# KiCad board pcb.kicad_pcb (continued)
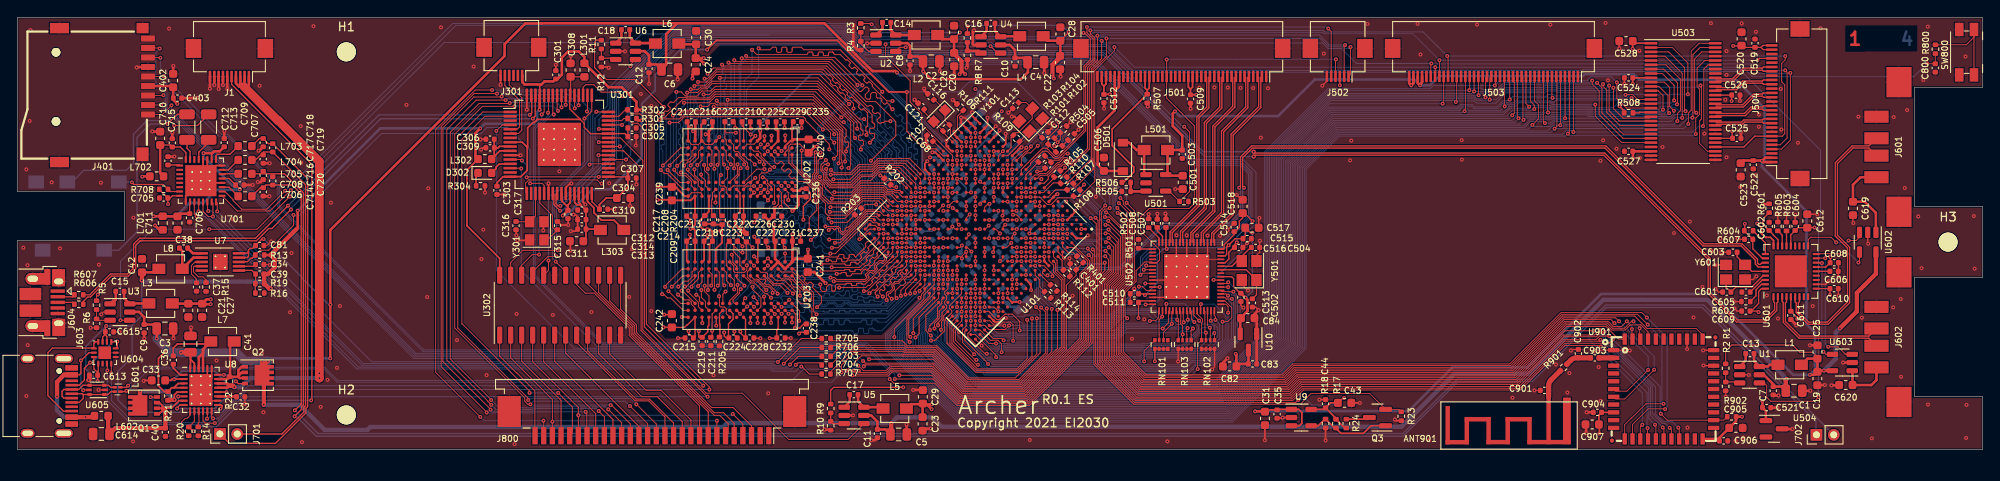
[diagram p0: board, top side]
## Footprints (pads in the part's own frame, mm; a bottom-side part is the same pattern mirrored in y, then rotated)
BGA-96_9.0x13.0mm_P0.8mm
  round 0.4 smd: A1(-3.2,6) A2(-2.4,6) A3(-1.6,6) A7(1.6,6) A8(2.4,6) A9(3.2,6) B1(-3.2,5.2) B2(-2.4,5.2) B3(-1.6,5.2) B7(1.6,5.2) B8(2.4,5.2) B9(3.2,5.2) C1(-3.2,4.4) C2(-2.4,4.4) C3(-1.6,4.4) C7(1.6,4.4) C8(2.4,4.4) C9(3.2,4.4) D1(-3.2,3.6) D2(-2.4,3.6) D3(-1.6,3.6) D7(1.6,3.6) D8(2.4,3.6) D9(3.2,3.6) E1(-3.2,2.8) E2(-2.4,2.8) E3(-1.6,2.8) E7(1.6,2.8) E8(2.4,2.8) E9(3.2,2.8) F1(-3.2,2) F2(-2.4,2) F3(-1.6,2) F7(1.6,2) F8(2.4,2) F9(3.2,2) G1(-3.2,1.2) G2(-2.4,1.2) G3(-1.6,1.2) G7(1.6,1.2) G8(2.4,1.2) G9(3.2,1.2) H1(-3.2,0.4) H2(-2.4,0.4) H3(-1.6,0.4) H7(1.6,0.4) H8(2.4,0.4) H9(3.2,0.4) J1(-3.2,-0.4) J2(-2.4,-0.4) J3(-1.6,-0.4) J7(1.6,-0.4) J8(2.4,-0.4) J9(3.2,-0.4) K1(-3.2,-1.2) K2(-2.4,-1.2) K3(-1.6,-1.2) K7(1.6,-1.2) K8(2.4,-1.2) K9(3.2,-1.2) L1(-3.2,-2) L2(-2.4,-2) L3(-1.6,-2) L7(1.6,-2) L8(2.4,-2) L9(3.2,-2) M1(-3.2,-2.8) M2(-2.4,-2.8) M3(-1.6,-2.8) M7(1.6,-2.8) M8(2.4,-2.8) M9(3.2,-2.8) N1(-3.2,-3.6) N2(-2.4,-3.6) N3(-1.6,-3.6) N7(1.6,-3.6) N8(2.4,-3.6) N9(3.2,-3.6) P1(-3.2,-4.4) P2(-2.4,-4.4) P3(-1.6,-4.4) P7(1.6,-4.4) P8(2.4,-4.4) P9(3.2,-4.4) R1(-3.2,-5.2) R2(-2.4,-5.2) R3(-1.6,-5.2) R7(1.6,-5.2) R8(2.4,-5.2) R9(3.2,-5.2) T1(-3.2,-6) T2(-2.4,-6) T3(-1.6,-6) T7(1.6,-6) T8(2.4,-6) T9(3.2,-6)
BGA-541_25x25_19.0x19.0mm
  round 0.35 smd: A1(-9,9) A2(-8.25,9) A3(-7.5,9) A4(-6.75,9) A5(-6,9) A6(-5.25,9) A7(-4.5,9) A8(-3.75,9) A9(-3,9) A10(-2.25,9) A11(-1.5,9) A12(-0.75,9) A13(0,9) A14(0.75,9) A15(1.5,9) A16(2.25,9) A17(3,9) A18(3.75,9) A19(4.5,9) A20(5.25,9) A21(6,9) A22(6.75,9) A23(7.5,9) A24(8.25,9) A25(9,9) AA1(-9,-6) AA2(-8.25,-6) AA3(-7.5,-6) AA4(-6.75,-6) AA5(-6,-6) AA6(-5.25,-6) AA7(-4.5,-6) AA8(-3.75,-6) AA9(-3,-6) AA10(-2.25,-6) AA11(-1.5,-6) AA12(-0.75,-6) AA13(0,-6) AA14(0.75,-6) AA15(1.5,-6) AA16(2.25,-6) AA17(3,-6) AA18(3.75,-6) AA19(4.5,-6) AA20(5.25,-6) AA21(6,-6) AA22(6.75,-6) AA23(7.5,-6) AA24(8.25,-6) AA25(9,-6) AB1(-9,-6.75) AB2(-8.25,-6.75) AB3(-7.5,-6.75) AB4(-6.75,-6.75) AB5(-6,-6.75) AB6(-5.25,-6.75) AB7(-4.5,-6.75) AB8(-3.75,-6.75) AB9(-3,-6.75) AB10(-2.25,-6.75) AB11(-1.5,-6.75) AB12(-0.75,-6.75) AB13(0,-6.75) AB14(0.75,-6.75) AB15(1.5,-6.75) AB16(2.25,-6.75) AB17(3,-6.75) AB18(3.75,-6.75) AB19(4.5,-6.75) AB20(5.25,-6.75) AB21(6,-6.75) AB22(6.75,-6.75) AB23(7.5,-6.75) AB24(8.25,-6.75) AB25(9,-6.75) AC1(-9,-7.5) AC2(-8.25,-7.5) AC3(-7.5,-7.5) AC4(-6.75,-7.5) AC5(-6,-7.5) AC6(-5.25,-7.5) AC7(-4.5,-7.5) AC8(-3.75,-7.5) AC9(-3,-7.5) AC10(-2.25,-7.5) AC11(-1.5,-7.5) AC12(-0.75,-7.5) AC13(0,-7.5) AC14(0.75,-7.5) AC15(1.5,-7.5) AC16(2.25,-7.5) AC17(3,-7.5) AC18(3.75,-7.5) AC19(4.5,-7.5) AC20(5.25,-7.5) AC21(6,-7.5) AC22(6.75,-7.5) AC23(7.5,-7.5) AC24(8.25,-7.5) AC25(9,-7.5) AD1(-9,-8.25) AD2(-8.25,-8.25) AD3(-7.5,-8.25) AD4(-6.75,-8.25) AD5(-6,-8.25) AD6(-5.25,-8.25) AD7(-4.5,-8.25) AD8(-3.75,-8.25) AD9(-3,-8.25) AD10(-2.25,-8.25) AD11(-1.5,-8.25) AD12(-0.75,-8.25) AD13(0,-8.25) AD14(0.75,-8.25) AD15(1.5,-8.25) AD16(2.25,-8.25) AD17(3,-8.25) AD18(3.75,-8.25) AD19(4.5,-8.25) AD20(5.25,-8.25) AD21(6,-8.25) AD22(6.75,-8.25) AD23(7.5,-8.25) AD24(8.25,-8.25) AD25(9,-8.25) AE1(-9,-9) AE2(-8.25,-9) AE3(-7.5,-9) AE4(-6.75,-9) AE5(-6,-9) AE6(-5.25,-9) AE7(-4.5,-9) AE8(-3.75,-9) AE9(-3,-9) AE10(-2.25,-9) AE11(-1.5,-9) AE12(-0.75,-9) AE13(0,-9) AE14(0.75,-9) AE15(1.5,-9) AE16(2.25,-9) AE17(3,-9) AE18(3.75,-9) AE19(4.5,-9) AE20(5.25,-9) AE21(6,-9) AE22(6.75,-9) AE23(7.5,-9) AE24(8.25,-9) AE25(9,-9) B1(-9,8.25) B2(-8.25,8.25) B3(-7.5,8.25) B4(-6.75,8.25) B5(-6,8.25) B6(-5.25,8.25) B7(-4.5,8.25) B8(-3.75,8.25) B9(-3,8.25) B10(-2.25,8.25) B11(-1.5,8.25) B12(-0.75,8.25) B13(0,8.25) B14(0.75,8.25) B15(1.5,8.25) B16(2.25,8.25) B17(3,8.25) B18(3.75,8.25) B19(4.5,8.25) B20(5.25,8.25) B21(6,8.25) B22(6.75,8.25) B23(7.5,8.25) B24(8.25,8.25) B25(9,8.25) C1(-9,7.5) C2(-8.25,7.5) C3(-7.5,7.5) C4(-6.75,7.5) C5(-6,7.5) C6(-5.25,7.5) C7(-4.5,7.5) C8(-3.75,7.5) C9(-3,7.5) C10(-2.25,7.5) C11(-1.5,7.5) C12(-0.75,7.5) C13(0,7.5) C14(0.75,7.5) C15(1.5,7.5) C16(2.25,7.5) C17(3,7.5) C18(3.75,7.5) C19(4.5,7.5) C20(5.25,7.5) C21(6,7.5) C22(6.75,7.5) C23(7.5,7.5) C24(8.25,7.5) C25(9,7.5) D1(-9,6.75) D2(-8.25,6.75) D3(-7.5,6.75) D4(-6.75,6.75) D5(-6,6.75) D6(-5.25,6.75) D7(-4.5,6.75) D8(-3.75,6.75) D9(-3,6.75) D10(-2.25,6.75) D11(-1.5,6.75) D12(-0.75,6.75) D13(0,6.75) D14(0.75,6.75) D15(1.5,6.75) D16(2.25,6.75) D17(3,6.75) D18(3.75,6.75) D19(4.5,6.75) D20(5.25,6.75) D21(6,6.75) D22(6.75,6.75) D23(7.5,6.75) D24(8.25,6.75) D25(9,6.75) E1(-9,6) E2(-8.25,6) E3(-7.5,6) E4(-6.75,6) E5(-6,6) E6(-5.25,6) E7(-4.5,6) E8(-3.75,6) E9(-3,6) E10(-2.25,6) E11(-1.5,6) E12(-0.75,6) E13(0,6) E14(0.75,6) E15(1.5,6) E16(2.25,6) E17(3,6) E18(3.75,6) E19(4.5,6) E20(5.25,6) E21(6,6) E22(6.75,6) E23(7.5,6) E24(8.25,6) E25(9,6) F1(-9,5.25) F2(-8.25,5.25) F3(-7.5,5.25) F4(-6.75,5.25) F5(-6,5.25) F6(-5.25,5.25) F7(-4.5,5.25) F8(-3.75,5.25) F9(-3,5.25) F10(-2.25,5.25) F11(-1.5,5.25) F12(-0.75,5.25) F13(0,5.25) F14(0.75,5.25) F15(1.5,5.25) F16(2.25,5.25) F17(3,5.25) F18(3.75,5.25) F19(4.5,5.25) F20(5.25,5.25) F21(6,5.25) F22(6.75,5.25) F23(7.5,5.25) F24(8.25,5.25) F25(9,5.25) G1(-9,4.5) G2(-8.25,4.5) G3(-7.5,4.5) G4(-6.75,4.5) G5(-6,4.5) G6(-5.25,4.5) G7(-4.5,4.5) G9(-3,4.5) G11(-1.5,4.5) G13(0,4.5) G15(1.5,4.5) G17(3,4.5) G19(4.5,4.5) G20(5.25,4.5) G21(6,4.5) G22(6.75,4.5) G23(7.5,4.5) G24(8.25,4.5) G25(9,4.5) H1(-9,3.75) H2(-8.25,3.75) H3(-7.5,3.75) H4(-6.75,3.75) H5(-6,3.75) H6(-5.25,3.75) H8(-3.75,3.75) H10(-2.25,3.75) H12(-0.75,3.75) H14(0.75,3.75) H16(2.25,3.75) H18(3.75,3.75) H20(5.25,3.75) H21(6,3.75) H22(6.75,3.75) H23(7.5,3.75) H24(8.25,3.75) H25(9,3.75) J1(-9,3) J2(-8.25,3) J3(-7.5,3) J4(-6.75,3) J5(-6,3) J6(-5.25,3) J7(-4.5,3) J9(-3,3) J11(-1.5,3) J13(0,3) J15(1.5,3) J17(3,3) J19(4.5,3) J20(5.25,3) J21(6,3) J22(6.75,3) J23(7.5,3) J24(8.25,3) J25(9,3) K1(-9,2.25) K2(-8.25,2.25) K3(-7.5,2.25) K4(-6.75,2.25) K5(-6,2.25) K6(-5.25,2.25) K8(-3.75,2.25) K10(-2.25,2.25) K12(-0.75,2.25) K14(0.75,2.25) K16(2.25,2.25) K18(3.75,2.25) K20(5.25,2.25) K21(6,2.25) K22(6.75,2.25) K23(7.5,2.25) K24(8.25,2.25) K25(9,2.25) L1(-9,1.5) L2(-8.25,1.5) L3(-7.5,1.5) L4(-6.75,1.5) L5(-6,1.5) L6(-5.25,1.5) L7(-4.5,1.5) L9(-3,1.5) L11(-1.5,1.5) L13(0,1.5) L15(1.5,1.5) L17(3,1.5) L19(4.5,1.5) L20(5.25,1.5) L21(6,1.5) L22(6.75,1.5) L23(7.5,1.5) L24(8.25,1.5) L25(9,1.5) M1(-9,0.75) M2(-8.25,0.75) M3(-7.5,0.75) M4(-6.75,0.75) M5(-6,0.75) M6(-5.25,0.75) M8(-3.75,0.75) M10(-2.25,0.75) M12(-0.75,0.75) M14(0.75,0.75) M16(2.25,0.75) M18(3.75,0.75) M20(5.25,0.75) M21(6,0.75) M22(6.75,0.75) M23(7.5,0.75) M24(8.25,0.75) M25(9,0.75) N1(-9,0) N2(-8.25,0) N3(-7.5,0) N4(-6.75,0) N5(-6,0) N6(-5.25,0) N7(-4.5,0) N9(-3,0) N11(-1.5,0) N13(0,0) N15(1.5,0) N17(3,0) N19(4.5,0) N20(5.25,0) N21(6,0) N22(6.75,0) N23(7.5,0) N24(8.25,0) N25(9,0) P1(-9,-0.75) P2(-8.25,-0.75) P3(-7.5,-0.75) P4(-6.75,-0.75) P5(-6,-0.75) P6(-5.25,-0.75) P8(-3.75,-0.75) P10(-2.25,-0.75) P12(-0.75,-0.75) P14(0.75,-0.75) P16(2.25,-0.75) P18(3.75,-0.75) P20(5.25,-0.75) P21(6,-0.75) P22(6.75,-0.75) P23(7.5,-0.75) P24(8.25,-0.75) P25(9,-0.75) R1(-9,-1.5) R2(-8.25,-1.5) R3(-7.5,-1.5) R4(-6.75,-1.5) R5(-6,-1.5) R6(-5.25,-1.5) R7(-4.5,-1.5) R9(-3,-1.5) R11(-1.5,-1.5) R13(0,-1.5) R15(1.5,-1.5) R17(3,-1.5) R19(4.5,-1.5) R20(5.25,-1.5) R21(6,-1.5) R22(6.75,-1.5) R23(7.5,-1.5) R24(8.25,-1.5) R25(9,-1.5) T1(-9,-2.25) T2(-8.25,-2.25) T3(-7.5,-2.25) T4(-6.75,-2.25) T5(-6,-2.25) T6(-5.25,-2.25) T8(-3.75,-2.25) T10(-2.25,-2.25) T12(-0.75,-2.25) T14(0.75,-2.25) T16(2.25,-2.25) T18(3.75,-2.25) T20(5.25,-2.25) T21(6,-2.25) T22(6.75,-2.25) T23(7.5,-2.25) T24(8.25,-2.25) T25(9,-2.25) U1(-9,-3) U2(-8.25,-3) U3(-7.5,-3) U4(-6.75,-3) U5(-6,-3) U6(-5.25,-3) U7(-4.5,-3) U9(-3,-3) U11(-1.5,-3) U13(0,-3) U15(1.5,-3) U17(3,-3) U19(4.5,-3) U20(5.25,-3) U21(6,-3) U22(6.75,-3) U23(7.5,-3) U24(8.25,-3) U25(9,-3) V1(-9,-3.75) V2(-8.25,-3.75) V3(-7.5,-3.75) V4(-6.75,-3.75) V5(-6,-3.75) V6(-5.25,-3.75) V8(-3.75,-3.75) V10(-2.25,-3.75) V12(-0.75,-3.75) V14(0.75,-3.75) V16(2.25,-3.75) V18(3.75,-3.75) V20(5.25,-3.75) V21(6,-3.75) V22(6.75,-3.75) V23(7.5,-3.75) V24(8.25,-3.75) V25(9,-3.75) W1(-9,-4.5) W2(-8.25,-4.5) W3(-7.5,-4.5) W4(-6.75,-4.5) W5(-6,-4.5) W6(-5.25,-4.5) W7(-4.5,-4.5) W9(-3,-4.5) W11(-1.5,-4.5) W13(0,-4.5) W15(1.5,-4.5) W17(3,-4.5) W19(4.5,-4.5) W20(5.25,-4.5) W21(6,-4.5) W22(6.75,-4.5) W23(7.5,-4.5) W24(8.25,-4.5) W25(9,-4.5) Y1(-9,-5.25) Y2(-8.25,-5.25) Y3(-7.5,-5.25) Y4(-6.75,-5.25) Y5(-6,-5.25) Y6(-5.25,-5.25) Y7(-4.5,-5.25) Y8(-3.75,-5.25) Y9(-3,-5.25) Y10(-2.25,-5.25) Y11(-1.5,-5.25) Y12(-0.75,-5.25) Y13(0,-5.25) Y14(0.75,-5.25) Y15(1.5,-5.25) Y16(2.25,-5.25) Y17(3,-5.25) Y18(3.75,-5.25) Y19(4.5,-5.25) Y20(5.25,-5.25) Y21(6,-5.25) Y22(6.75,-5.25) Y23(7.5,-5.25) Y24(8.25,-5.25) Y25(9,-5.25)
bt_antenna_1ant_2gnd
  rect 5x0.5 smd: 0(3.251,4.648)
  rect 0.5x3.14 smd: 0(5.512,3.327) 0(8.026,3.327) 0(10.236,3.327) 0(12.751,3.327)
  rect 3x0.5 smd: 0(6.769,2.007) 0(11.493,2.007)
  rect 2.7x0.5 smd: 0(9.131,4.648) 0(13.856,4.661)
  rect 0.5x4.44 smd: 0(14.961,2.692)
  rect 0.5x5.4 smd: 1(3.302,2.192)
  rect 0.9x5.4 smd: 2(1.194,2.192)
C_0402_1005Metric
  rrect 0.56x0.62 smd: 1(-0.48,0) 2(0.48,0)
C_0603_1608Metric
  rrect 0.9x0.95 smd: 1(-0.775,0) 2(0.775,0)
C_0805_2012Metric
  rrect 1x1.45 smd: 1(-0.95,0) 2(0.95,0)
C_1206_3216Metric
  rrect 1.15x1.8 smd: 1(-1.475,0) 2(1.475,0)
Connector_USB_905-562A2021S10100
  rect 1.4x2.8 smd: 1(-3.5,0) 2(-1,0) 3(1,0) 4(3.5,0)
  rect 3.5x2.9 smd: 5(-7.5,-2.6) 5(7.5,-2.6)
Crystal_SMD_3225-4Pin_3.2x2.5mm
  rect 1.4x1.2 smd: 1(-1.1,-0.85) 2(1.1,-0.85) 3(1.1,0.85) 4(-1.1,0.85)
Crystal_SMD_TXC_9HT11-2Pin_2.0x1.2mm_HandSoldering
  rect 1.05x1.1 smd: 1(-0.925,0) 2(0.925,0)
D_SOD-123
  rect 0.9x1.2 smd: 1(-1.65,0) 2(1.65,0)
Diodes_PowerDI3333-8
  rect 0.6x1 smd: (0.02,0.565) (0.02,-0.565) (0.73,0.565) (0.73,-0.565)
  rect 0.7x0.42 smd: (1.5,0.975) (1.5,0.325) (1.5,-0.325) (1.5,-0.975) 1(-1.5,0.975) 2(-1.5,0.325) 3(-1.5,-0.325) 4(-1.5,-0.975)
  custom 2.25x2.37 smd: 5(0.455,0)
Hirose_FH12-6S-0.5SH_1x06-1MP_P0.50mm_Horizontal
  rect 0.3x1.3 smd: 1(-1.25,1.85) 2(-0.75,1.85) 3(-0.25,1.85) 4(0.25,1.85) 5(0.75,1.85) 6(1.25,1.85)
  rect 1.8x2.2 smd: MP(-3.15,-1.4) MP(3.15,-1.4)
Hirose_FH12-10S-0.5SH_1x10-1MP_P0.50mm_Horizontal
  rect 0.3x1.3 smd: 1(-2.25,1.85) 2(-1.75,1.85) 3(-1.25,1.85) 4(-0.75,1.85) 5(-0.25,1.85) 6(0.25,1.85) 7(0.75,1.85) 8(1.25,1.85) 9(1.75,1.85) 10(2.25,1.85)
  rect 1.8x2.2 smd: MP(-4.15,-1.4) MP(4.15,-1.4)
Hirose_FH12-28S-0.5SH_1x28-1MP_P0.50mm_Horizontal
  rect 0.3x1.3 smd: 1(-6.75,1.85) 2(-6.25,1.85) 3(-5.75,1.85) 4(-5.25,1.85) 5(-4.75,1.85) 6(-4.25,1.85) 7(-3.75,1.85) 8(-3.25,1.85) 9(-2.75,1.85) 10(-2.25,1.85) 11(-1.75,1.85) 12(-1.25,1.85) 13(-0.75,1.85) 14(-0.25,1.85) 15(0.25,1.85) 16(0.75,1.85) 17(1.25,1.85) 18(1.75,1.85) 19(2.25,1.85) 20(2.75,1.85) 21(3.25,1.85) 22(3.75,1.85) 23(4.25,1.85) 24(4.75,1.85) 25(5.25,1.85) 26(5.75,1.85) 27(6.25,1.85) 28(6.75,1.85)
  rect 1.8x2.2 smd: MP(-8.65,-1.4) MP(8.65,-1.4)
Hirose_FH12-40S-0.5SH_1x40-1MP_P0.50mm_Horizontal
  rect 0.3x1.3 smd: 1(-9.75,1.85) 2(-9.25,1.85) 3(-8.75,1.85) 4(-8.25,1.85) 5(-7.75,1.85) 6(-7.25,1.85) 7(-6.75,1.85) 8(-6.25,1.85) 9(-5.75,1.85) 10(-5.25,1.85) 11(-4.75,1.85) 12(-4.25,1.85) 13(-3.75,1.85) 14(-3.25,1.85) 15(-2.75,1.85) 16(-2.25,1.85) 17(-1.75,1.85) 18(-1.25,1.85) 19(-0.75,1.85) 20(-0.25,1.85) 21(0.25,1.85) 22(0.75,1.85) 23(1.25,1.85) 24(1.75,1.85) 25(2.25,1.85) 26(2.75,1.85) 27(3.25,1.85) 28(3.75,1.85) 29(4.25,1.85) 30(4.75,1.85) 31(5.25,1.85) 32(5.75,1.85) 33(6.25,1.85) 34(6.75,1.85) 35(7.25,1.85) 36(7.75,1.85) 37(8.25,1.85) 38(8.75,1.85) 39(9.25,1.85) 40(9.75,1.85)
  rect 1.8x2.2 smd: MP(-11.65,-1.4) MP(11.65,-1.4)
L_0603_1608Metric
  rrect 0.875x0.95 smd: 1(-0.787,0) 2(0.787,0)
L_CommonModeChoke_Panasonic_EXC14CE
  rrect 0.3x0.5 smd: 1(-0.25,0.325) 2(0.25,0.325) 3(0.25,-0.325) 4(-0.25,-0.325)
L_Vishay_IHLP-1212
  rect 1.5x1.2 smd: 1(-1.35,0) 2(1.35,0)
LED_0603_1608Metric
  rrect 0.875x0.95 smd: 1(-0.787,0) 2(0.787,0)
LQFP-64-1EP_10x10mm_P0.5mm_EP5x5mm_ThermalVias
  custom 0.564x0.564 smd: (-2.15,2.15) (-2.15,-2.15) (2.15,2.15) (2.15,-2.15)
  custom 0.564x0.967 smd: (-2.15,1.2) (-2.15,0) (-2.15,-1.2) (2.15,1.2) (2.15,0) (2.15,-1.2)
  custom 0.967x0.564 smd: (-1.2,2.15) (-1.2,-2.15) (0,2.15) (0,-2.15) (1.2,2.15) (1.2,-2.15)
  rrect 0.967x0.967 smd: (-1.2,1.2) (-1.2,0) (-1.2,-1.2) (0,1.2) (0,0) (0,-1.2) (1.2,1.2) (1.2,0) (1.2,-1.2)
  rrect 1.55x0.3 smd: 1(-5.675,3.75) 2(-5.675,3.25) 3(-5.675,2.75) 4(-5.675,2.25) 5(-5.675,1.75) 6(-5.675,1.25) 7(-5.675,0.75) 8(-5.675,0.25) 9(-5.675,-0.25) 10(-5.675,-0.75) 11(-5.675,-1.25) 12(-5.675,-1.75) 13(-5.675,-2.25) 14(-5.675,-2.75) 15(-5.675,-3.25) 16(-5.675,-3.75) 33(5.675,-3.75) 34(5.675,-3.25) 35(5.675,-2.75) 36(5.675,-2.25) 37(5.675,-1.75) 38(5.675,-1.25) 39(5.675,-0.75) 40(5.675,-0.25) 41(5.675,0.25) 42(5.675,0.75) 43(5.675,1.25) 44(5.675,1.75) 45(5.675,2.25) 46(5.675,2.75) 47(5.675,3.25) 48(5.675,3.75)
  rrect 0.3x1.55 smd: 17(-3.75,-5.675) 18(-3.25,-5.675) 19(-2.75,-5.675) 20(-2.25,-5.675) 21(-1.75,-5.675) 22(-1.25,-5.675) 23(-0.75,-5.675) 24(-0.25,-5.675) 25(0.25,-5.675) 26(0.75,-5.675) 27(1.25,-5.675) 28(1.75,-5.675) 29(2.25,-5.675) 30(2.75,-5.675) 31(3.25,-5.675) 32(3.75,-5.675) 49(3.75,5.675) 50(3.25,5.675) 51(2.75,5.675) 52(2.25,5.675) 53(1.75,5.675) 54(1.25,5.675) 55(0.75,5.675) 56(0.25,5.675) 57(-0.25,5.675) 58(-0.75,5.675) 59(-1.25,5.675) 60(-1.75,5.675) 61(-2.25,5.675) 62(-2.75,5.675) 63(-3.25,5.675) 64(-3.75,5.675)
  round 0.5 hole 0.2: 65(-1.8,1.8) 65(-1.8,0.6) 65(-1.8,-0.6) 65(-1.8,-1.8) 65(-0.6,1.8) 65(-0.6,0.6) 65(-0.6,-0.6) 65(-0.6,-1.8) 65(0.6,1.8) 65(0.6,0.6) 65(0.6,-0.6) 65(0.6,-1.8) 65(1.8,1.8) 65(1.8,0.6) 65(1.8,-0.6) 65(1.8,-1.8)
  rect 4.1x4.1 smd far side: 65(0,0)
  rect 5x5 smd: 65(0,0)
MountingHole_2.2mm_M2_DIN965
  round 2.2 hole 2.2 unplated: (0,0)
MSOP-10-1EP_3x3mm_P0.5mm_EP1.68x1.88mm_ThermalVias
  rrect 0.7x0.79 smd: (-0.42,0.47) (-0.42,-0.47) (0.42,0.47) (0.42,-0.47)
  rrect 1.45x0.3 smd: 1(-2.15,1) 2(-2.15,0.5) 3(-2.15,0) 4(-2.15,-0.5) 5(-2.15,-1) 6(2.15,-1) 7(2.15,-0.5) 8(2.15,0) 9(2.15,0.5) 10(2.15,1)
  round 0.5 hole 0.2: 11(-0.55,0.65) 11(-0.55,-0.65) 11(0.55,0.65) 11(0.55,-0.65)
  rect 1.6x1.8 smd far side: 11(0,0)
  rect 1.68x1.88 smd: 11(0,0)
Oscillator_SMD_Abracon_ASE-4Pin_3.2x2.5mm
  rect 1.3x1.1 smd: 1(-1.05,-0.825) 2(1.05,-0.825) 3(1.05,0.825) 4(-1.05,0.825)
Panasonic_EVQPUJ_EVQPUA
  rect 1.55x1 smd: 1(-2.625,0.85) 1(2.625,0.85) 2(-2.625,-0.85) 2(2.625,-0.85)
PinHeader_1x02_P2.00mm_Vertical
  rect 1.35x1.35 hole 0.8: 1(0,0)
  oval 1.35x1.35 hole 0.8: 2(0,-2)
PJ-327E
  rect 1.8x1.5 smd: R(-0.7,-3.95) S(-4.3,-3.95) S(-3.55,3.95) T(3.55,3.95) TN(5.25,-3.95)
QFN-28-1EP_4x5mm_P0.5mm_EP2.65x3.65mm_ThermalVias
  rrect 1.07x0.98 smd: (-0.66,1.22) (-0.66,0) (-0.66,-1.22) (0.66,1.22) (0.66,0) (0.66,-1.22)
  rrect 0.85x0.25 smd: 1(-1.95,1.75) 2(-1.95,1.25) 3(-1.95,0.75) 4(-1.95,0.25) 5(-1.95,-0.25) 6(-1.95,-0.75) 7(-1.95,-1.25) 8(-1.95,-1.75) 15(1.95,-1.75) 16(1.95,-1.25) 17(1.95,-0.75) 18(1.95,-0.25) 19(1.95,0.25) 20(1.95,0.75) 21(1.95,1.25) 22(1.95,1.75)
  rrect 0.25x0.85 smd: 9(-1.25,-2.45) 10(-0.75,-2.45) 11(-0.25,-2.45) 12(0.25,-2.45) 13(0.75,-2.45) 14(1.25,-2.45) 23(1.25,2.45) 24(0.75,2.45) 25(0.25,2.45) 26(-0.25,2.45) 27(-0.75,2.45) 28(-1.25,2.45)
  round 0.5 hole 0.2: 29(-1.075,1.575) 29(-1.075,0.525) 29(-1.075,-0.525) 29(-1.075,-1.575) 29(0,1.575) 29(0,0.525) 29(0,-0.525) 29(0,-1.575) 29(1.075,1.575) 29(1.075,0.525) 29(1.075,-0.525) 29(1.075,-1.575)
  rect 2.65x3.65 smd: 29(0,0)
  rect 2.65x3.65 smd far side: 29(0,0)
QFN-32-1EP_5x5mm_P0.5mm_EP3.6x3.6mm_ThermalVias
  custom 0.645x0.645 smd: (-1.4,1.4) (-1.4,-1.4) (1.4,1.4) (1.4,-1.4)
  custom 0.645x0.806 smd: (-1.4,0.5) (-1.4,-0.5) (1.4,0.5) (1.4,-0.5)
  custom 0.806x0.645 smd: (-0.5,1.4) (-0.5,-1.4) (0.5,1.4) (0.5,-1.4)
  rrect 0.806x0.806 smd: (-0.5,0.5) (-0.5,-0.5) (0.5,0.5) (0.5,-0.5)
  rrect 0.8x0.25 smd: 1(-2.45,1.75) 2(-2.45,1.25) 3(-2.45,0.75) 4(-2.45,0.25) 5(-2.45,-0.25) 6(-2.45,-0.75) 7(-2.45,-1.25) 8(-2.45,-1.75) 17(2.45,-1.75) 18(2.45,-1.25) 19(2.45,-0.75) 20(2.45,-0.25) 21(2.45,0.25) 22(2.45,0.75) 23(2.45,1.25) 24(2.45,1.75)
  rrect 0.25x0.8 smd: 9(-1.75,-2.45) 10(-1.25,-2.45) 11(-0.75,-2.45) 12(-0.25,-2.45) 13(0.25,-2.45) 14(0.75,-2.45) 15(1.25,-2.45) 16(1.75,-2.45) 25(1.75,2.45) 26(1.25,2.45) 27(0.75,2.45) 28(0.25,2.45) 29(-0.25,2.45) 30(-0.75,2.45) 31(-1.25,2.45) 32(-1.75,2.45)
  round 0.5 hole 0.2: 33(-1,1) 33(-1,0) 33(-1,-1) 33(0,1) 33(0,0) 33(0,-1) 33(1,1) 33(1,0) 33(1,-1)
  rect 2.5x2.5 smd far side: 33(0,0)
  rect 3.6x3.6 smd: 33(0,0)
QFN-36-1EP_6x6mm_P0.5mm_EP3.7x3.7mm
  rrect 0.99x0.99 smd: (-1.23,1.23) (-1.23,0) (-1.23,-1.23) (0,1.23) (0,0) (0,-1.23) (1.23,1.23) (1.23,0) (1.23,-1.23)
  rrect 0.825x0.25 smd: 1(-2.938,2) 2(-2.938,1.5) 3(-2.938,1) 4(-2.938,0.5) 5(-2.938,0) 6(-2.938,-0.5) 7(-2.938,-1) 8(-2.938,-1.5) 9(-2.938,-2) 19(2.938,-2) 20(2.938,-1.5) 21(2.938,-1) 22(2.938,-0.5) 23(2.938,0) 24(2.938,0.5) 25(2.938,1) 26(2.938,1.5) 27(2.938,2)
  rrect 0.25x0.825 smd: 10(-2,-2.938) 11(-1.5,-2.938) 12(-1,-2.938) 13(-0.5,-2.938) 14(0,-2.938) 15(0.5,-2.938) 16(1,-2.938) 17(1.5,-2.938) 18(2,-2.938) 28(2,2.938) 29(1.5,2.938) 30(1,2.938) 31(0.5,2.938) 32(0,2.938) 33(-0.5,2.938) 34(-1,2.938) 35(-1.5,2.938) 36(-2,2.938)
  rect 3.7x3.7 smd: 37(0,0)
QFN-68-1EP_8x8mm_P0.4mm_EP5.2x5.2mm_ThermalVias
  rrect 1.007x1.007 smd: (-1.762,1.762) (-1.762,0.588) (-1.762,-0.588) (-1.762,-1.762) (-0.588,1.762) (-0.588,0.588) (-0.588,-0.588) (-0.588,-1.762) (0.588,1.762) (0.588,0.588) (0.588,-0.588) (0.588,-1.762) (1.762,1.762) (1.762,0.588) (1.762,-0.588) (1.762,-1.762)
  rrect 0.825x0.2 smd: 1(-3.938,3.2) 2(-3.938,2.8) 3(-3.938,2.4) 4(-3.938,2) 5(-3.938,1.6) 6(-3.938,1.2) 7(-3.938,0.8) 8(-3.938,0.4) 9(-3.938,0) 10(-3.938,-0.4) 11(-3.938,-0.8) 12(-3.938,-1.2) 13(-3.938,-1.6) 14(-3.938,-2) 15(-3.938,-2.4) 16(-3.938,-2.8) 17(-3.938,-3.2) 35(3.938,-3.2) 36(3.938,-2.8) 37(3.938,-2.4) 38(3.938,-2) 39(3.938,-1.6) 40(3.938,-1.2) 41(3.938,-0.8) 42(3.938,-0.4) 43(3.938,0) 44(3.938,0.4) 45(3.938,0.8) 46(3.938,1.2) 47(3.938,1.6) 48(3.938,2) 49(3.938,2.4) 50(3.938,2.8) 51(3.938,3.2)
  rrect 0.2x0.825 smd: 18(-3.2,-3.938) 19(-2.8,-3.938) 20(-2.4,-3.938) 21(-2,-3.938) 22(-1.6,-3.938) 23(-1.2,-3.938) 24(-0.8,-3.938) 25(-0.4,-3.938) 26(0,-3.938) 27(0.4,-3.938) 28(0.8,-3.938) 29(1.2,-3.938) 30(1.6,-3.938) 31(2,-3.938) 32(2.4,-3.938) 33(2.8,-3.938) 34(3.2,-3.938) 52(3.2,3.938) 53(2.8,3.938) 54(2.4,3.938) 55(2,3.938) 56(1.6,3.938) 57(1.2,3.938) 58(0.8,3.938) 59(0.4,3.938) 60(0,3.938) 61(-0.4,3.938) 62(-0.8,3.938) 63(-1.2,3.938) 64(-1.6,3.938) 65(-2,3.938) 66(-2.4,3.938) 67(-2.8,3.938) 68(-3.2,3.938)
  round 0.5 hole 0.2: 69(-2.35,2.35) 69(-2.35,1.175) 69(-2.35,0) 69(-2.35,-1.175) 69(-2.35,-2.35) 69(-1.175,2.35) 69(-1.175,1.175) 69(-1.175,0) 69(-1.175,-1.175) 69(-1.175,-2.35) 69(0,2.35) 69(0,1.175) 69(0,0) 69(0,-1.175) 69(0,-2.35) 69(1.175,2.35) 69(1.175,1.175) 69(1.175,0) 69(1.175,-1.175) 69(1.175,-2.35) 69(2.35,2.35) 69(2.35,1.175) 69(2.35,0) 69(2.35,-1.175) 69(2.35,-2.35)
  rect 5.2x5.2 smd: 69(0,0)
  rect 5.2x5.2 smd far side: 69(0,0)
R_0402_1005Metric
  rrect 0.54x0.64 smd: 1(-0.51,0) 2(0.51,0)
R_Array_Convex_4x0402
  rect 0.5x0.4 smd: 1(-0.5,0.75) 4(-0.5,-0.75) 5(0.5,-0.75) 8(0.5,0.75)
  rect 0.5x0.3 smd: 2(-0.5,0.25) 3(-0.5,-0.25) 6(0.5,-0.25) 7(0.5,0.25)
RL-SM02BD(RTL8723BS)
  rect 1.3x0.5 smd: 1(-5.775,4.5) 2(-5.775,3.6) 3(-5.775,2.7) 4(-5.775,1.8) 5(-5.775,0.9) 6(-5.775,0) 7(-5.775,-0.9) 8(-5.775,-1.8) 9(-5.775,-2.7) 10(-5.775,-3.6) 11(-5.775,-4.5) 23(5.775,-4.5) 24(5.775,-3.6) 25(5.775,-2.7) 26(5.775,-1.8) 27(5.775,-0.9) 28(5.775,0) 29(5.775,0.9) 30(5.775,1.8) 31(5.775,2.7) 32(5.775,3.6) 33(5.775,4.5)
  rect 0.5x1.3 smd: 12(-4.5,-5.775) 13(-3.6,-5.775) 14(-2.7,-5.775) 15(-1.8,-5.775) 16(-0.9,-5.775) 17(0,-5.775) 18(0.9,-5.775) 19(1.8,-5.775) 20(2.7,-5.775) 21(3.6,-5.775) 22(4.5,-5.775) 34(4.5,5.775) 35(3.6,5.775) 36(2.7,5.775) 37(1.8,5.775) 38(0.9,5.775) 39(0,5.775) 40(-0.9,5.775) 41(-1.8,5.775) 42(-2.7,5.775) 43(-3.6,5.775) 44(-4.5,5.775)
  round 0.5 smd: FID1(-5.969,-5.969) FID2(5.969,5.969)
SO-24_5.3x15mm_P1.27mm
  rrect 1.975x0.6 smd: 1(-3.462,6.985) 2(-3.462,5.715) 3(-3.462,4.445) 4(-3.462,3.175) 5(-3.462,1.905) 6(-3.462,0.635) 7(-3.462,-0.635) 8(-3.462,-1.905) 9(-3.462,-3.175) 10(-3.462,-4.445) 11(-3.462,-5.715) 12(-3.462,-6.985) 13(3.462,-6.985) 14(3.462,-5.715) 15(3.462,-4.445) 16(3.462,-3.175) 17(3.462,-1.905) 18(3.462,-0.635) 19(3.462,0.635) 20(3.462,1.905) 21(3.462,3.175) 22(3.462,4.445) 23(3.462,5.715) 24(3.462,6.985)
SOT-23
  rrect 1.475x0.6 smd: 1(-0.938,0.95) 2(-0.938,-0.95) 3(0.938,0)
SOT-23-5
  rrect 1.325x0.6 smd: 1(-1.137,0.95) 2(-1.137,0) 3(-1.137,-0.95) 4(1.137,-0.95) 5(1.137,0.95)
SOT-666
  rect 0.5x0.375 smd: 1(-0.85,0.537) 3(-0.85,-0.537) 4(0.85,-0.537) 6(0.85,0.537)
  rect 0.65x0.3 smd: 2(-0.925,0) 5(0.925,0)
TE_2-84953-8_1x28-1MP_P1.0mm_Horizontal
  rect 0.61x2 smd: 1(-13.5,1.8) 2(-12.5,1.8) 3(-11.5,1.8) 4(-10.5,1.8) 5(-9.5,1.8) 6(-8.5,1.8) 7(-7.5,1.8) 8(-6.5,1.8) 9(-5.5,1.8) 10(-4.5,1.8) 11(-3.5,1.8) 12(-2.5,1.8) 13(-1.5,1.8) 14(-0.5,1.8) 15(0.5,1.8) 16(1.5,1.8) 17(2.5,1.8) 18(3.5,1.8) 19(4.5,1.8) 20(5.5,1.8) 21(6.5,1.8) 22(7.5,1.8) 23(8.5,1.8) 24(9.5,1.8) 25(10.5,1.8) 26(11.5,1.8) 27(12.5,1.8) 28(13.5,1.8)
  rect 2.68x3.6 smd: MP(-16.49,-1) MP(16.49,-1)
TFC-WPAPR-08
  round 1 hole 1 unplated: (3.251,3.048) (3.251,-4.953)
  rect 1.598x0.699 smd: 1(-7.374,2.248) 2(-7.374,1.148) 3(-7.374,0.048) 4(-7.374,-1.049) 5(-7.374,-2.149) 6(-7.374,-3.249) 7(-7.374,-4.348) 8(-7.374,-5.448) 9(-7.374,-6.548)
  rect 1.4x1.199 smd: 10(-6.749,-7.75)
  rect 1.4x1.598 smd: 11(-6.749,6.848)
  rect 2.2x1.199 smd: 12(2.85,-7.75) 13(2.85,7.75)
TSOT-23-5
  rrect 1.325x0.6 smd: 1(-1.137,0.95) 2(-1.137,0) 3(-1.137,-0.95) 4(1.137,-0.95) 5(1.137,0.95)
TSOT-23-6
  rrect 1.325x0.6 smd: 1(-1.137,0.95) 2(-1.137,0) 3(-1.137,-0.95) 4(1.137,-0.95) 5(1.137,0) 6(1.137,0.95)
TSSOP-56_6.1x14mm_P0.5mm
  rrect 1.475x0.3 smd: 1(-3.712,6.75) 2(-3.712,6.25) 3(-3.712,5.75) 4(-3.712,5.25) 5(-3.712,4.75) 6(-3.712,4.25) 7(-3.712,3.75) 8(-3.712,3.25) 9(-3.712,2.75) 10(-3.712,2.25) 11(-3.712,1.75) 12(-3.712,1.25) 13(-3.712,0.75) 14(-3.712,0.25) 15(-3.712,-0.25) 16(-3.712,-0.75) 17(-3.712,-1.25) 18(-3.712,-1.75) 19(-3.712,-2.25) 20(-3.712,-2.75) 21(-3.712,-3.25) 22(-3.712,-3.75) 23(-3.712,-4.25) 24(-3.712,-4.75) 25(-3.712,-5.25) 26(-3.712,-5.75) 27(-3.712,-6.25) 28(-3.712,-6.75) 29(3.712,-6.75) 30(3.712,-6.25) 31(3.712,-5.75) 32(3.712,-5.25) 33(3.712,-4.75) 34(3.712,-4.25) 35(3.712,-3.75) 36(3.712,-3.25) 37(3.712,-2.75) 38(3.712,-2.25) 39(3.712,-1.75) 40(3.712,-1.25) 41(3.712,-0.75) 42(3.712,-0.25) 43(3.712,0.25) 44(3.712,0.75) 45(3.712,1.25) 46(3.712,1.75) 47(3.712,2.25) 48(3.712,2.75) 49(3.712,3.25) 50(3.712,3.75) 51(3.712,4.25) 52(3.712,4.75) 53(3.712,5.25) 54(3.712,5.75) 55(3.712,6.25) 56(3.712,6.75)
USB_C_Receptacle_HRO_TYPE-C-31-M-12
  round 0.65 hole 0.65 unplated: (-2.89,2.6) (2.89,2.6)
  rect 0.6x1.45 smd: A1(-3.25,4.045) A4(-2.45,4.045) A9(2.45,4.045) A12(3.25,4.045) B1(3.25,4.045) B4(2.45,4.045) B9(-2.45,4.045) B12(-3.25,4.045)
  rect 0.3x1.45 smd: A5(-1.25,4.045) A6(-0.25,4.045) A7(0.25,4.045) A8(1.25,4.045) B5(1.75,4.045) B6(0.75,4.045) B7(-0.75,4.045) B8(-1.75,4.045)
  oval 1x2.1 hole 0.6x1.7: S1(-4.32,3.13) S1(4.32,3.13)
  oval 1x1.6 hole 0.6x1.2: S1(-4.32,-1.05) S1(4.32,-1.05)
USB_Micro-B_Amphenol_10103594-0001LF_Horizontal
  rect 0.4x1.65 smd: 1(-1.325,1.765) 2(-0.675,1.765) 3(-0.025,1.765) 4(0.625,1.765) 5(1.275,1.765)
  rect 1.825x0.7 smd: 6(-2.975,0.565) 6(2.975,0.565)
  rect 2x1.5 smd: 6(-2.875,1.865) 6(2.875,1.885)
  rect 1.35x2 smd: 6(-2.755,-0.185) 6(2.725,-0.185)
  oval 1.35x1.7 hole 0.7x1.2: 6(-2.755,-1.115) 6(2.705,-1.115)
  oval 1.1x1.5 hole 0.65x1.05: 6(-2.445,1.885) 6(2.395,1.885)
  rect 1.43x2.5 smd: 6(-0.985,-1.385) 6(0.935,-1.385)
WQFN-14-1EP_2.5x2.5mm_P0.5mm_EP1.45x1.45mm
  rrect 0.58x0.58 smd: (-0.36,0.36) (-0.36,-0.36) (0.36,0.36) (0.36,-0.36)
  rrect 0.675x0.25 smd: 1(-1.262,0.5) 2(-1.262,0) 3(-1.262,-0.5) 8(1.262,-0.5) 9(1.262,0) 10(1.262,0.5)
  rrect 0.25x0.675 smd: 4(-0.75,-1.262) 5(-0.25,-1.262) 6(0.25,-1.262) 7(0.75,-1.262) 11(0.75,1.262) 12(0.25,1.262) 13(-0.25,1.262) 14(-0.75,1.262)
  rect 1.45x1.45 smd: 15(0,0)

## Nets
+1V0: C22.2 C28.2 C46.1 C47.1 C49.1 C50.1 C52.1 C53.1 C56.1 C57.1 C61.1 C62.1 C71.1 C72.1 C73.1 C74.1 C75.1 L4.2 R7.2 U101.C14 U101.D14 U101.F3 U101.F4 U101.F18 U101.F19 U101.J3 U101.J4 U101.M3 U101.M4 U101.P18 U101.R3 U101.R4 U101.R17 U101.T18 U101.U13 U101.U15 U101.U17 U101.V12 U101.V14 U101.V16 U101.V18
+1V2: C84.1 C507.1 C510.1 C513.1 C515.1 C517.1 U10.2 U502.15 U502.31 U502.60 U502.66
+1V8: C20.2 C26.2 C59.1 C82.1 C83.1 C101.1 C105.1 C109.1 C508.1 C509.1 C511.1 C514.1 C516.1 C518.1 J501.18 J501.19 L2.2 L9.1 L101.1 R3.2 U10.3 U101.K18 U101.L9 U101.V8 U101.W6 U502.16 U502.33 U502.64 U502.68
+1V8A: C54.1 C58.1 C111.1 L9.2 U101.V5 U101.V6 U101.W5
+1V35: C24.2 C30.2 C201.1 C202.1 C203.1 C204.1 C205.1 C207.1 C212.1 C213.1 C214.1 C215.1 C216.1 C217.1 C218.1 C219.1 C220.1 C221.1 C222.1 C223.1 C224.1 C225.1 C226.1 C227.1 C228.1 C229.1 C230.1 C231.1 C232.1 C233.1 C235.1 C236.1 C237.1 C238.1 C239.1 C240.1 C241.1 C242.1 L6.2 R11.2 R206.1 U101.AA16 U101.AA17 U101.AA18 U101.AA19 U101.AA20 U101.AA21 U101.T21 U101.U21 U101.V21 U101.W21 U101.Y20 U101.Y21 U202.A1 U202.A8 U202.B2 U202.C1 U202.C9 U202.D2 U202.D9 U202.E9 U202.F1 U202.G7 U202.H2 U202.H9 U202.K2 U202.K8 U202.N1 U202.N9 U202.R1 U202.R9 U203.A1 U203.A8 U203.B2 U203.C1 U203.C9 U203.D2 U203.D9 U203.E9 U203.F1 U203.G7 U203.H2 U203.H9 U203.K2 U203.K8 U203.N1 U203.N9 U203.R1 U203.R9
+3V3: C21.2 C27.2 C63.1 C64.1 C102.1 C103.1 C108.1 C114.1 C115.1 C122.1 C124.1 C125.1 C402.1 C403.1 C512.1 C519.1 C520.1 C521.1 C524.1 C525.1 C526.1 C527.1 C528.1 C604.1 C607.1 C608.1 C609.1 C610.1 C611.1 C612.1 C705.1 C904.1 C905.1 C906.1 C907.1 J401.4 J501.38 J501.39 J502.3 J503.39 J503.40 J504.27 J504.28 L3.2 L701.2 L702.2 R5.2 R105.1 R107.1 R108.1 R110.1 R508.1 R601.1 R604.2 R708.1 R902.1 RN101.5 RN101.6 RN101.7 RN101.8 U101.C8 U101.C10 U101.F9 U101.F10 U101.F12 U101.H8 U101.K8 U101.L17 U101.M8 U101.M18 U101.N9 U101.P8 U101.T8 U503.1 U503.9 U503.26 U503.34 U503.44 U504.1 U601.5 U601.10 U601.15 U601.23 U601.27 U601.29 U601.36 U701.8 U901.9 U901.22
+3V3_SB: C39.1 C42.2 C301.1 C304.1 C307.1 C310.1 C317.1 C613.1 C615.1 J301.1 L8.2 L301.1 L302.1 R13.2 R19.1 R101.2 R103.2 R301.1 R302.1 U8.15 U101.AD8 U301.25 U301.27 U301.32 U301.33 U301.61 U302.24 U604.3 U604.4 U604.12 U604.13
+5V: C19.2 C25.2 C31.1 C35.1 C501.2 C503.2 C522.1 C523.1 J503.37 J503.38 J504.1 J504.2 L1.2 L501.1 R1.2 U9.1 U9.3 U501.5 U602.5 U603.5
+VCCIO_SD: C43.1 C44.1 C123.1 R17.1 R24.1 U9.5 U101.E7
/power/1V0_ARM: C23.2 C29.2 C45.1 C48.1 C51.1 C55.1 C60.1 L5.2 R9.2 U101.C17 U101.C20 U101.D17 U101.D20 U101.F22 U101.F23 U101.J22 U101.J23
/power/VCC2P5: C32.2 U8.8 U8.17
/usb/VBUS1: C619.1 J601.1 U602.1
/usb/VBUS2: C620.1 J602.1 U603.1
